# Altium PCB SPEC-A7.PcbDoc (part 6 of 10) (continued)
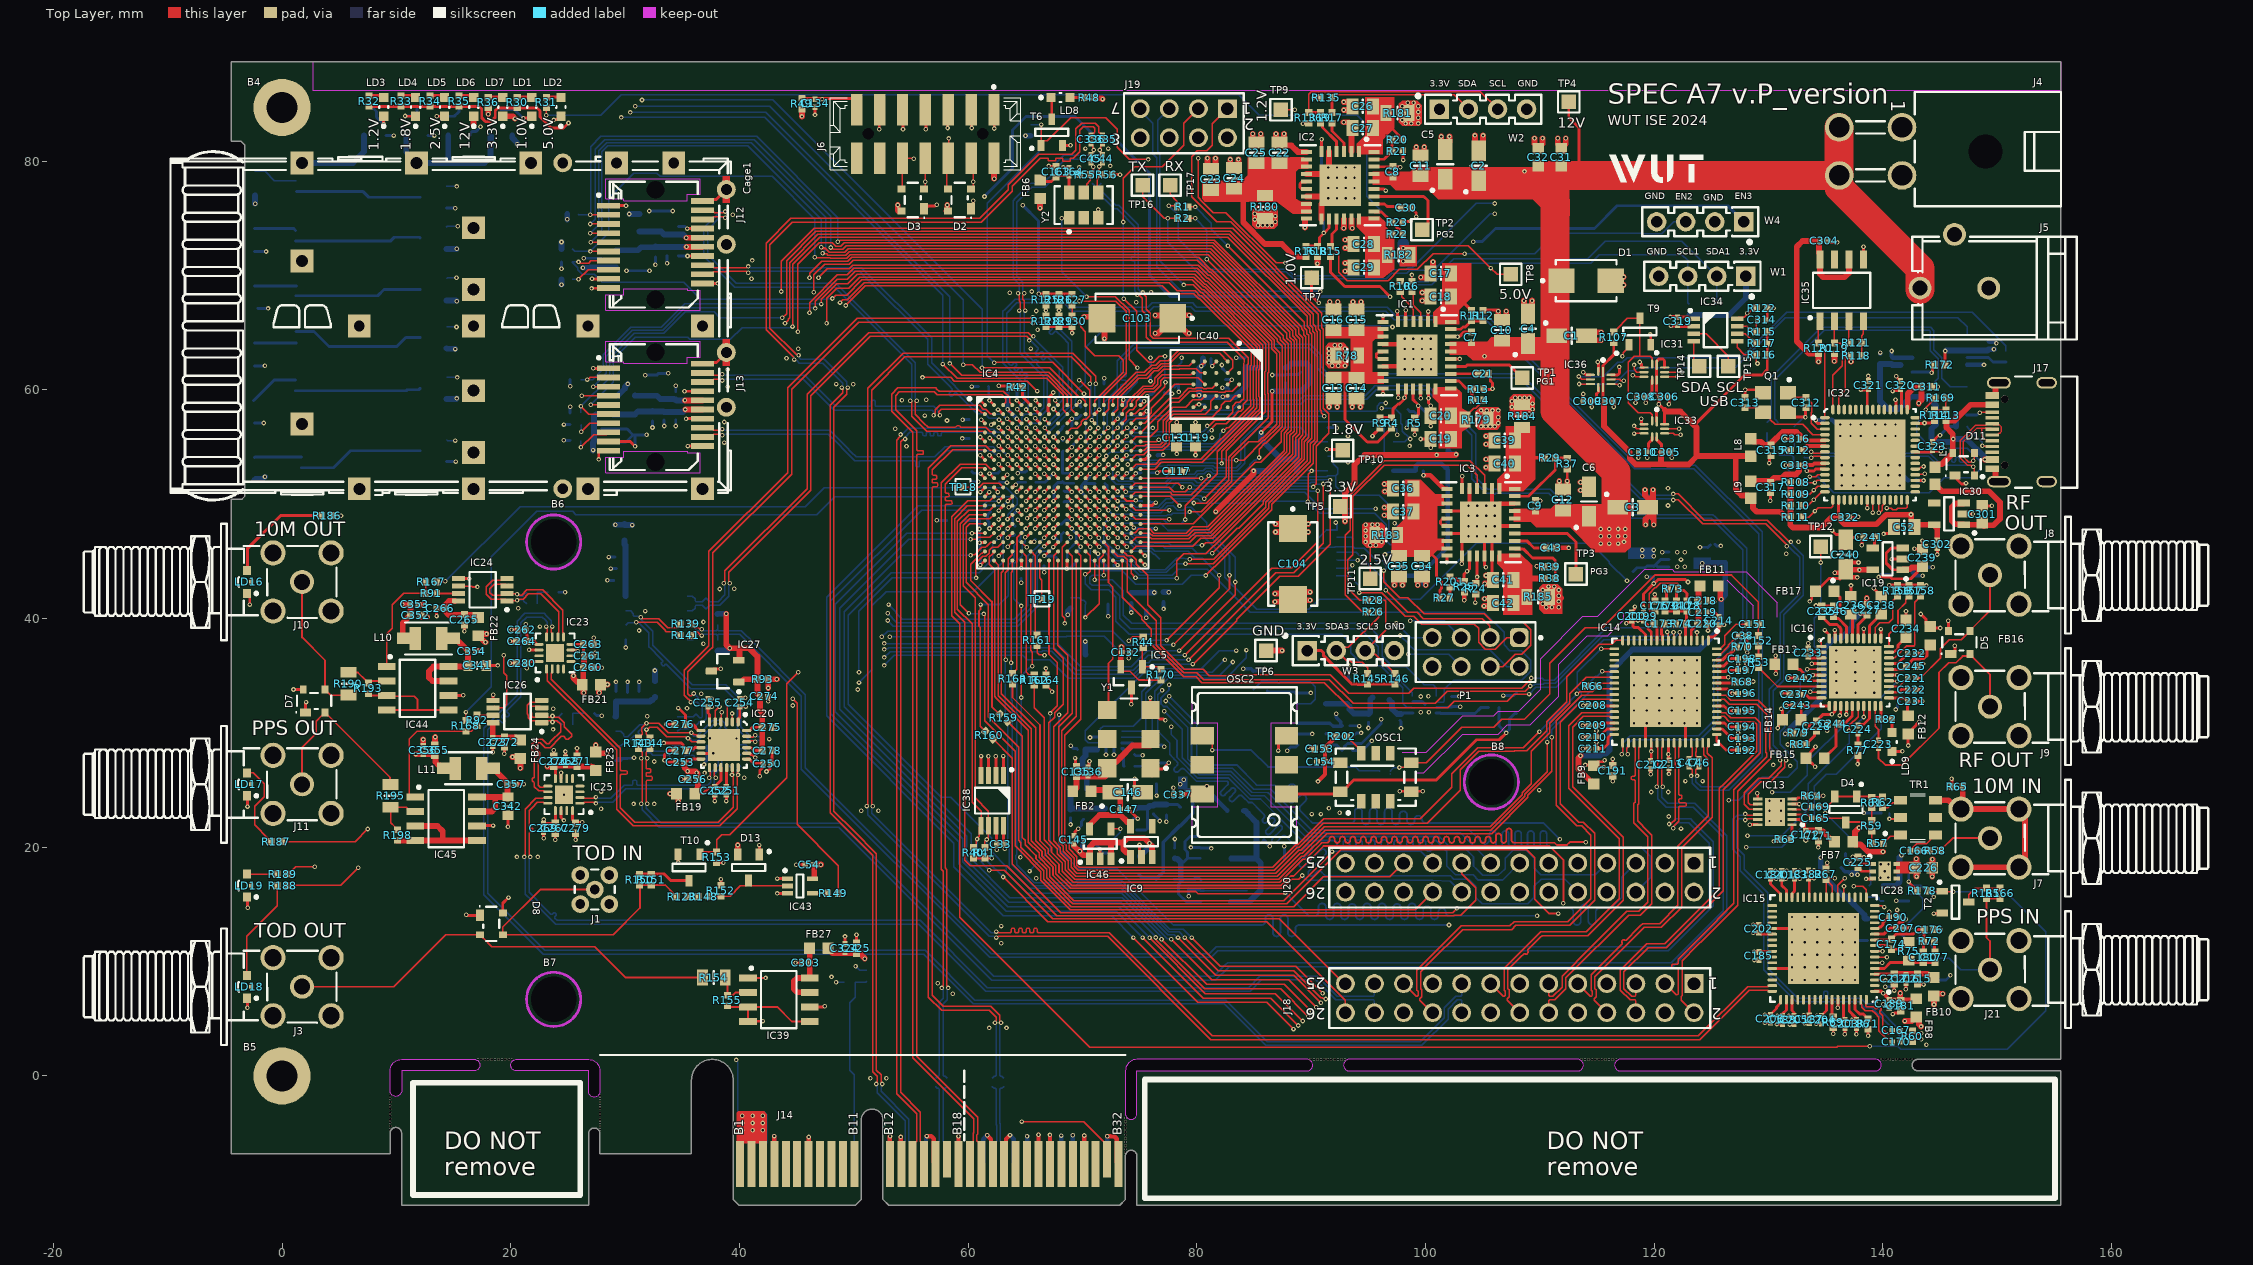
[diagram p0: Top Layer view]
## Nets (pads, with @x,y where several pads share a name; then routed paths per layer and width w, separated by ;. In a path a pad name is that pad's centre, name@x,y a point inside that pad or via, vN(x,y) a via of type N, cw(c..) or ccw(c..) an arc to the next point about the centre after c; other vN are vias at no path point) (continued)
NetC13_2: C13.2 C14.2 C15.2 C16.2 IC1.8 IC1.9 IC1.14 IC1.15 R4.2 R78.1 | length 8.8
  Top Layer w0.254: 92.95,60.8 92.95,57.4 94.904,55.446 95.817,55.446 97.003,56.632 R4.2@97.023,56.632
NetC19_2: C19.2 C20.2 IC1.22 IC1.23 R14.2 R179.1 | length 2.3
  Top Layer w0.127: R179.1@103.45,57.4 103.45,57.625 104.223,58.398 104.397,58.398 104.986,58.987 R14.2@104.986,59.007
NetC21_2: C21.2 IC1.25 | length 2.4
  Top Layer w0.254: IC1.25@102.203,61.404 102.211,61.412 104.566,61.412 C21.2@104.574,61.42
NetC22_2: C22.2 C23.2 C24.2 C25.2 IC2.8 IC2.9 IC2.14 IC2.15 R16.2 R180.1 | length 9.8
  Top Layer w0.508: C24.2@83.75,77.6 84.05,77.3 84.05,74.656 85.961,72.744 87.434,72.744 88.545,71.634 R16.2@89.53,71.634
NetC26_2: C26.2 C27.2 IC2.1 IC2.32 R20.2 R181.1 | length 1.6
  Top Layer w0.254: 97.05,83.1 97.05,82.854 97.85,82.054 97.85,82.034 R20.2@98.001,81.883
NetC28_2: C28.2 C29.2 IC2.22 IC2.23 R22.2 R182.1
NetC30_2: C30.2 IC2.25 | length 2.5
  Top Layer w0.254: IC2.25@95.499,76.265 96.418,76.265 96.642,76.041 97.716,76.041 C30.2@97.843,75.914
NetC34_2: C34.2 C35.2 C36.2 C37.2 IC3.8 IC3.9 IC3.14 IC3.15 R27.2 R183.1 | length 4.2
  Top Layer w0.254: 100.55,45.6 100.95,45.2 100.95,43.683 101.38,43.253 101.38,42.618 101.253,42.491 101.253,41.873 R27.2@101.18,41.8
NetC38_2: C38.2 IC14.63 | length 2.7
  Top Layer w0.152: IC14.63@125.459,36.858 125.759,36.858 126.468,37.567 126.468,37.661 127.158,38.351 127.251,38.351 C38.2@127.4,38.5
NetC39_2: C39.2 C40.2 IC3.1 IC3.32 R29.2 R184.1 | length 1.2
  Top Layer w0.305: 109.215,54.054 R29.2@110.396,54.054
NetC41_2: C41.2 C42.2 IC3.22 IC3.23 R38.2 R185.1 | length 1.3
  Top Layer w0.508: 109.15,43.5 109.25,43.5 109.262,43.513 R38.2@110.396,43.513 R38.2@110.383,43.5
NetC43_2: C43.2 IC3.25 | length 2.9
  Top Layer w0.254: IC3.25@107.791,46.799 108.85,46.799 109.469,46.18 C43.2@110.468,46.18
NetC134_2: C134.2 J6.13 R49.1 T9.1 | length 100.9
  Top Layer w0.127: v1@47.233,85.491 47.233,85.438 v1(47.239,85.432) ; v1(117.216,62.944) 117.268,62.996 117.268,63.231 117.79,63.753 T9.1@117.79,63.953
  Top Layer w0.254: R49.1@45.461,85.49 47.142,85.49 47.171,85.46 47.203,85.46 v1@47.232,85.49 ; v1(47.239,85.432) 47.278,85.432 47.336,85.49 49.883,85.49 50.256,85.117 J6.13@50.256,84.516
  L4 w0.127: v1(47.239,85.432) 47.239,83.391 51.612,79.018 54.677,79.018 56.659,81 61.6,81 68.055,87.455 103.881,87.455 105.103,86.232 105.103,83.446 106.802,81.748 106.802,76.152 117.216,65.738 v1(117.216,62.944)
NetC135_2: C135.2 C136.2 FB2.2 Y1.2 Y1.6 | length 8.4
  Top Layer w0.508: FB2.2@69.464,25.176 C135.2@69.464,26.172 70.48,26.172 71.94,26.172 Y1.6@72.136,26.368 ; Y1.6@72.15,26.92 72.696,27.466 72.937,27.466 73.331,27.859 73.331,27.882 74.352,28.903 75.931,28.903 Y1.2@75.936,28.908
NetC137_2: C137.2 FB3.2 IC7.1 | length 4.7
  Bottom Layer w0.508: C137.2@70.26,28.554 70.26,27.995 70.028,27.763 70.028,27.729 70.006,27.707 70.006,26.787 70.372,26.421 FB3.2@70.372,25.092 ; C137.2@70.261,28.554 IC7.1@71.286,28.554
NetC139_2: C139.2 R51.2 Y1.1 | length 6.2
  Top Layer w0.254: Y1.1@76.063,26.241 75.45,26.854 77.003,26.854 v1(77.55,27.4)
  Bottom Layer w0.254: R51.2@74.565,27.086 76.136,27.086 C139.2@76.35,27.3 ; C139.2@76.446,27.355 76.448,27.356 77.467,27.356 77.51,27.4 v1(77.55,27.4)
NetC140_2: C140.2 C141.2 FB25.1 IC8.1 IC8.3 | length 6.9
  Bottom Layer w0.254: IC8.3@74.745,21.501 75.55,21.501 75.696,21.647 75.696,23.448 ; C140.2@77.35,23.744 C140.2@77.335,23.73 78.32,23.73 FB25.1@78.55,23.5
  Bottom Layer w0.508: IC8.1@74.668,23.402 74.714,23.448 75.696,23.448 75.878,23.63 C141.2@76.192,23.63 76.292,23.73 C140.2@77.335,23.73
NetC144_2: C144.2 C145.2 FB26.1 IC9.1 IC9.3 IC46.1 IC46.3 | length 15.5
  Top Layer w0.508: C145.2@69.263,20.287 69.263,20.104 69.704,19.664 v3(69.766,19.664) 69.766,19.594 70.063,19.296 70.554,19.296 70.6,19.25 IC46.1@70.6,19 ; IC46.1@70.646,19.296 70.646,20.04 71.034,20.428 72.646,20.428 ; IC46.3@72.5,19 72.5,20.282 72.646,20.428 ; IC9.1@74.2,19.15 74.2,19.475 74.154,19.521 73.866,19.521 73.569,19.819 73.569,20.428 ; IC9.3@76.085,19.206 76.085,20.121 75.422,20.784 73.925,20.784 73.569,20.428 ; 72.646,20.428 73.569,20.428
  Bottom Layer w0.508: v3(69.766,19.664) 70.044,19.942 70.044,20.444 C144.2@70.1,20.5 ; FB26.1@74.997,19.2 74.997,19.223 75.196,19.421 75.218,19.421 75.853,20.055 v1(75.853,20.353)
NetC148_2: C148.2 FB4.2 IC10.1 | length 3
  Bottom Layer w0.254: C148.2@97.782,31.624 97.908,31.75 IC10.1@98.9,31.75
  Bottom Layer w0.508: FB4.2@96.85,32.871 96.853,32.871 97.071,32.654 97.071,32.096 97.517,31.65 C148.2@97.85,31.65
NetC150_2: C150.2 OSC1.10 OSC2.1 R52.2 | length 26.1
  Top Layer w0.254: OSC2.1@87.835,24.66 92.34,24.66 OSC1.10@92.54,24.86 92.71,24.86 93.75,25.9 100.95,25.9 104.45,29.4 106.45,29.4 v1(107.05,30)
  Bottom Layer w0.254: R52.2@106.43,32.206 106.43,30.62 v1(107.05,30) 107.05,30.04 107.352,30.342 107.352,31.252 107.8,31.7 C150.2@107.95,31.7
NetC151_1: C151.1 C152.1 OSC1.5 R206.2 | length 45.1
  Top Layer w0.152: v3(97.71,26.976) 97.74,27.006 98.356,27.006 OSC1.5@98.75,27.4 100.05,27.4 103.15,30.5 105.95,30.5 106.65,31.2 108.65,31.2 110.85,33.4 110.85,36.1 113.95,39.2 115.45,39.2 120.05,43.8 126.75,43.8 129.1,41.45 C151.1@129.1,39.5 129.1,38.535 C152.1@129.116,38.52 C152.1@129.349,38.286
  Bottom Layer w0.152: R206.2@96.915,26.407 R206.2@96.915,26.427 ; R206.2@96.921,26.651 96.921,26.671 97.196,26.945 97.679,26.945 v3(97.71,26.976)
NetC152_2: C152.2 R53.1 | length 1
  Top Layer w0.152: R53.1@129.116,36.66 C152.2@129.116,37.62
NetC153_2: C153.2 C154.2 C337.2 FB5.2 OSC1.9 OSC2.6 R202.1 | length 22.2
  Top Layer w0.381: C337.2@78.7,24.6 78.734,24.634 80.258,24.634 80.853,25.229 v3(80.853,25.344) ; OSC2.6@80.465,24.66 80.85,25.045 OSC2.6@80.85,25.344 ; v3(90.594,25.756) 91.209,26.37 91.209,27.5 91.2,27.509 91.2,28.7 92.18,29.68 R202.1@92.18,29.7 ; C154.2@91.2,27.5 91.234,27.466 92.474,27.466 OSC1.9@92.54,27.4
  L3 w0.381: v3(80.853,25.344) 90.183,25.344 v3(90.594,25.756)
  Bottom Layer w0.381: v3(80.853,25.344) 80.853,25.021 82.65,23.225 FB5.2@82.65,23.2
NetC155_2: C155.2 C156.2 FB28.1 IC11.1 IC11.3 | length 9
  Bottom Layer w0.152: FB28.1@84.95,33.8 84.975,33.8 85.374,34.199 85.374,34.224 85.7,34.55 C155.2@86.15,34.55 86.201,34.499 87.001,34.499 C156.2@87.15,34.35 ; C156.2@87.15,34.35 87.25,34.45 IC11.3@88.6,34.45 89.95,34.45 90.353,34.047 90.353,32.953 89.95,32.55 IC11.1@88.6,32.55
NetC159_2: C159.2 C160.2 FB29.1 IC12.1 IC12.3 IC47.1 IC47.3 | length 13.1
  Bottom Layer w0.254: FB29.1@78.05,17.2 78.587,17.2 78.836,17.2 ; 78.587,18.696 78.84,18.696 79.187,19.043 79.187,19.563 78.95,19.8 78.95,20.5 79.387,20.937 IC12.3@80.28,20.937 ; C160.2@79.15,17.2 78.836,17.2 ; 79.187,19.037 IC12.1@80.28,19.037 ; C160.2@79.25,17.2 IC47.3@79.827,17.2 ; IC47.3@79.827,17.323 80.177,17.323 IC47.3@80.35,17.15 ; IC47.1@80.35,15.25 79.442,15.25 79.438,15.246 79.062,15.246 78.388,15.92 78.388,16.752 78.836,17.2
  Bottom Layer w0.508: C159.2@78.059,19.041 78.106,18.994 78.289,18.994 78.587,18.696 78.587,17.2
NetC163_2: C163.2 C164.2 FB6.2 Y2.6 | length 4.2
  Top Layer w0.254: FB6.2@66.289,78.225 67.288,78.225 C163.2@67.686,78.623 67.786,78.723 C164.2@68.829,78.723 Y2.6@68.829,77.252
NetC165_1: C165.1 D4.3 R57.2 R59.2 | length 6.2
  Top Layer w0.152: C165.1@134.473,22.536 136.501,22.536 D4.3@136.75,22.15 136.806,22.207 138.118,22.207 138.161,22.167 138.78,21.601 R59.2@138.986,21.412 ; R59.2@139.014,21.412 139.014,20.408 R57.2@139.081,20.34
NetC165_2: C165.2 IC13.3 | length 1.9
  Top Layer w0.152: IC13.3@132.05,22.875 132.065,22.859 133.425,22.859 133.748,22.536 C165.2@133.773,22.536
NetC166_1: C166.1 R58.2 | length 1
  Top Layer w0.155: C166.1@143.1,19.7 R58.2@144.08,19.7
NetC166_2: C166.2 TR1.6 | length 2.8
  Top Layer w0.155: C166.2@142.4,19.7 142.425,19.7 142.572,19.848 142.572,19.937 142.942,20.307 143.801,20.307 TR1.6@144.575,21.08
NetC168_1: C168.1 TR1.2 | length 1.5
  Top Layer w0.152: v1(140.565,22.479) 141.404,22.479 TR1.2@141.525,22.6
  Bottom Layer w0.152: C168.1@140.55,23 140.565,22.985 v1(140.565,22.479)
NetC169_1: C169.1 D4.1 D4.2 R61.1 R62.2 | length 6
  Top Layer w0.152: C169.1@134.498,23.552 C169.1@134.473,23.552 135.102,23.552 135.8,24.25 D4.2@135.8,24.45 135.801,24.448 D4.1@137.7,24.448 ; D4.1@137.7,24.45 138.948,24.45 139.004,24.394 R62.2@139.961,24.394
NetC169_2: C169.2 IC13.4 | length 1.8
  Top Layer w0.152: IC13.4@132.05,23.325 132.065,23.309 133.505,23.309 133.748,23.552 C169.2@133.773,23.552
NetC171_2: C171.2 C172.2 FB7.2 IC13.2 | length 4.8
  Top Layer w0.254: IC13.2@132.05,22.425 132.725,22.425 133.152,21.998 133.152,21.548 C172.2@133.25,21.45
  Top Layer w0.508: C172.2@133.265,21.465 C171.2@134.335,21.465 ; C171.2@134.35,21.394 134.732,21.394 135.451,20.675 135.525,20.675 135.75,20.45 FB7.2@135.75,20.376
NetC173_1: C173.1 C175.2 C178.1 C340.1 IC14.10 R73.2 | length 10.8
  Top Layer w0.127: C175.2@120.05,40.65 119.624,40.65 119.549,40.724 119.549,42.165 120.059,42.675 120.117,42.675 120.538,43.095 122.006,43.095 122.08,43.021 122.08,42.605 R73.2@122.091,42.595
  Top Layer w0.254: C175.2@120.05,40.65 120.02,40.62 120.02,39.577 C173.1@119.99,39.547 120.234,39.303 IC14.10@120.234,38.083 ; C340.1@121.95,41.55 121.95,42.454 R73.2@122.091,42.595 R73.2@122.254,42.432 ; R73.2@122.224,42.461 122.588,42.461 122.85,42.2 C178.1@122.85,41.55
NetC173_2: C173.2 IC14.9 R74.2 | length 2.6
  Top Layer w0.254: IC14.9@120.734,38.083 120.732,38.085 120.732,38.525 120.645,38.612 120.645,39.302 C173.2@120.89,39.547 R74.2@121.875,39.547
NetC174_1: C174.1 C176.2 C180.2 IC15.10 R72.2 | length 6.7
  Top Layer w0.254: IC15.10@139.275,11.9 139.277,11.902 140.649,11.902 C174.1@140.727,11.98 141.166,12.419 142.678,12.419 143.059,12.8 C176.2@143.579,12.8 143.569,12.79 143.569,11.794 R72.2@143.559,11.784 143.54,11.765 143.54,10.856 C180.2@143.521,10.837
NetC174_2: C174.2 IC15.9 R75.2 | length 3.4
  Top Layer w0.254: IC15.9@139.275,11.4 140.407,11.4 C174.2@140.727,11.08 141.586,11.08 142.201,11.695 R75.2@142.251,11.695
NetC177_1: C177.1 C180.1 IC15.5 R75.1 | length 5.5
  Top Layer w0.254: IC15.5@139.275,9.4 140.121,9.4 140.658,9.937 C180.1@143.521,9.937 C177.1@144.537,9.937
NetC177_2: C177.2 R72.1 | length 1
  Top Layer w0.254: R72.1@144.499,11.784 144.518,11.765 144.518,10.856 C177.2@144.537,10.837
NetC178_2: C178.2 C179.1 C340.2 IC14.5 R74.1 | length 4.5
  Top Layer w0.254: C179.1@120.95,40.65 C340.2@121.95,40.65 C178.2@122.85,40.65 122.815,40.615 R74.1@122.815,39.547 122.736,39.468 122.736,38.085 IC14.5@122.734,38.083
NetC179_2: C179.2 R73.1 | length 1.1
  Top Layer w0.254: C179.2@120.95,41.55 121.05,41.651 121.05,42.494 R73.1@121.151,42.595
NetC181_2: C181.2 C182.2 C183.2 C184.2 C185.2 C186.2 C187.2 C188.2 C189.2 C190.2 C201.2 C202.2 C203.2 C204.2 C205.2 C206.2 C207.2 FB8.2 IC15.1 IC15.11 IC15.12 IC15.27 IC15.30 IC15.31 IC15.32 IC15.38 IC15.41 IC15.49 IC15.50 IC15.51 IC15.54 IC15.57 IC15.60 IC15.61 | length 37.7
  Top Layer w0.254: v1(128.656,12.534) C202.2@129.133,12.534 ; v1(128.725,10.871) 128.735,10.86 129.139,10.86 C185.2@129.15,10.85 ; v1@128.758,10.895 128.761,10.898 130.323,10.898 IC15.41@130.325,10.9 ; v1@128.758,12.546 129.252,12.546 129.398,12.4 IC15.38@130.325,12.4 ; v1(129.673,5.35) C206.2@130.15,5.35 130.15,5.375 130.682,5.907 130.682,6.011 131.05,6.379 IC15.49@131.05,6.675 ; v1(130.671,17.256) 130.668,17.253 130.153,17.253 130.173,17.233 130.173,16.798 131.05,15.921 IC15.32@131.05,15.625 ; v1(130.75,5.25) 130.752,5.247 131.199,5.247 C188.2@131.202,5.245 ; C201.2@131.15,17.25 131.15,16.662 131.55,16.262 IC15.31@131.55,15.625 ; C188.2@131.202,5.245 131.202,5.434 131.55,5.782 IC15.50@131.55,6.675 ; C201.2@131.248,17.253 131.497,17.253 v1(131.5,17.256) ; v1(131.741,5.245) C205.2@132.218,5.245 132.218,5.561 132.05,5.729 IC15.51@132.05,6.675 ; IC15.30@132.05,15.625 132.05,15.921 132.171,16.042 132.171,16.082 132.25,16.161 C183.2@132.25,17.25 ; C183.2@132.348,17.253 132.724,17.253 v1(132.727,17.256) ; v1(133.075,5.308) C187.2@133.552,5.308 133.552,6.673 IC15.54@133.55,6.675 ; IC15.27@133.55,15.625 133.548,15.627 133.548,17.216 C182.2@133.488,17.276 v1(133.965,17.276) ; v1(134.219,5.27) C204.2@134.631,5.27 134.631,5.295 135.05,5.714 IC15.57@135.05,6.675 ; v1@136.307,4.895 v1(136.311,4.895) C203.2@136.663,4.895 ; C203.2@136.55,5.033 IC15.60@136.55,6.675 ; IC15.61@137.05,6.675 137.05,5.669 137.581,5.138 137.581,4.993 C186.2@137.679,4.895 v1(137.267,4.895) ; IC15.11@139.275,12.4 140.073,12.4 140.6,12.927 141.164,12.927 141.262,13.025 141.262,13.257 141.411,13.406 141.638,13.406 141.943,13.711 v1(141.983,13.711) ; IC15.12@139.275,12.9 139.571,12.9 139.692,13.021 139.805,13.021 140.011,13.227 140.011,13.396 140.511,13.896 C190.2@140.536,13.896 v1(140.536,14.373)
  Top Layer w0.305: IC15.1@139.275,7.4 139.83,7.4 139.987,7.243 v1(140.013,7.243) 140.013,7.224 140.477,6.76 140.477,6.723 C189.2@140.55,6.65
  Top Layer w0.508: C189.2@140.55,6.65 140.587,6.613 v1(140.984,6.613) ; v1@140.984,6.603 C181.2@141.556,6.603 141.515,6.643 v1(141.515,7.244) ; C181.2@141.582,6.629 142.772,6.629 FB8.2@142.901,6.757
NetC191_2: C191.2 C192.2 C193.2 C194.2 C195.2 C196.2 C197.2 C198.2 C199.2 C200.2 C208.2 C209.2 C210.2 C211.2 C212.2 C213.2 C214.2 FB9.2 IC14.1 IC14.11 IC14.12 IC14.27 IC14.30 IC14.31 IC14.32 IC14.38 IC14.41 IC14.49 IC14.50 IC14.51 IC14.54 IC14.57 IC14.60 IC14.61 | length 42.5
  Top Layer w0.254: v1(113.95,27.2) 114.572,27.2 114.744,27.028 115.078,27.028 115.078,27.46 115.092,27.475 115.485,27.475 115.61,27.6 v1(115.65,27.6) ; C208.2@114.948,32.435 115.594,32.435 115.671,32.358 IC14.27@116.509,32.358 ; C210.2@115.071,29.739 115.253,29.739 115.87,30.356 116.507,30.356 IC14.31@116.509,30.358 ; FB9.2@115.078,27.003 v1(115.565,27.003) ; C191.2@116.37,27.158 v1(116.37,27.722) ; IC14.32@116.509,29.858 116.213,29.858 115.946,29.591 115.946,29.035 115.536,28.625 C211.2@114.948,28.625 v1(114.948,29.18) C210.2@114.948,29.641 v1(114.948,30.196) C209.2@114.948,30.657 115.032,30.74 115.37,30.74 115.487,30.858 IC14.30@116.509,30.858 ; v1(117.566,39.583) 117.606,39.583 117.731,39.709 117.929,39.709 118.027,39.807 C200.2@118.027,39.832 ; IC14.12@119.234,38.083 119.232,38.085 119.232,38.602 118.629,39.204 118.274,39.204 118.125,39.353 118.125,39.734 C200.2@118.027,39.832 ; C212.2@119.678,27.578 119.732,27.632 v1(119.732,28.381) 119.732,29.131 IC14.38@119.734,29.133 ; IC14.11@119.734,38.083 119.734,38.834 119.585,38.983 119.575,38.983 119.426,39.131 119.426,39.424 119.043,39.807 C199.2@119.043,39.832 v1(118.569,39.832) 118.125,39.832 C200.2@118.027,39.832 ; IC14.41@121.234,29.133 121.236,29.131 v1(121.236,28.146) 121.236,27.651 C213.2@121.28,27.607 ; IC14.1@124.734,38.083 124.734,38.379 124.736,38.381 125.165,38.381 125.647,38.863 C214.2@125.647,39.451 v1(126.104,39.451) ; IC14.49@125.459,29.858 125.459,29.301 126.262,28.498 C192.2@127.329,28.498 v1(127.329,29.002) C193.2@127.329,29.514 ; IC14.50@125.459,30.358 125.461,30.356 125.936,30.356 126.778,29.514 C193.2@127.329,29.514 ; IC14.51@125.459,30.858 126.133,30.858 126.461,30.53 C194.2@127.329,30.53 v1(127.329,30.033) C193.2@127.329,29.514 ; IC14.54@125.459,32.358 125.461,32.356 126.087,32.356 126.267,32.175 126.294,32.175 126.543,31.927 v1(126.936,31.927) C195.2@127.329,31.927 ; IC14.57@125.459,33.858 126.363,33.858 v1@126.77,33.451 ; IC14.60@125.459,35.358 126.206,35.358 126.331,35.483 C197.2@127.329,35.483 v1(127.329,36.018) C198.2@127.329,36.499 126.712,36.499 126.073,35.86 125.461,35.86 IC14.61@125.459,35.858 ; v1@126.833,33.437 v1(126.846,33.451) C196.2@127.329,33.451
  other v1: 115.398,32.459
NetC215_2: C215.2 C216.2 C217.2 FB10.2 IC15.4 | length 5.3
  Top Layer w0.305: IC15.4@139.291,8.916 C217.2@140.981,8.916
  Top Layer w0.508: C217.2@140.981,8.932 141.997,8.932 C215.2@143.013,8.932 143.899,8.932 143.997,8.834 144.271,8.834 FB10.2@144.496,8.609
NetC218_2: C218.2 C219.2 C220.2 FB11.2 IC14.4 | length 5.2
  Top Layer w0.254: IC14.4@123.234,38.083 123.234,38.981 C220.2@123.8,39.547
  Top Layer w0.508: C220.2@123.8,39.547 123.856,39.603 123.856,41.523 C218.2@123.8,41.579 123.856,41.635 123.856,42.624 124.081,42.849 FB11.2@124.123,42.849
NetC221_1: C221.1 IC16.23 | length 2
  Top Layer w0.152: IC16.23@140.518,34.059 141.404,34.059 142.146,34.801 C221.1@142.171,34.801
NetC221_2: C221.2 D5.3 J8.1 | length 12.5
  Top Layer w0.155: C221.2@142.871,34.801 143.276,34.801 145.041,36.566 145.041,37.402 145.785,38.146 146.838,38.146 147.318,38.626 147.326,38.626 147.55,38.85 D5.3@147.55,38.9 ; D5.3@147.55,38.95 147.774,39.174 147.824,39.174 149.35,40.7 J8.1@149.35,43.796
NetC222_1: C222.1 IC16.22 | length 1.7
  Top Layer w0.254: IC16.22@140.518,33.559 141.406,33.559 141.632,33.785 C222.1@142.171,33.785
NetC222_2: C222.2 R76.1 | length 2.4
  Top Layer w0.254: C222.2@142.871,33.785 v1(143.35,33.785)
  Bottom Layer w0.254: R76.1@141.45,33.67 141.565,33.785 v1(143.35,33.785)
NetC223_1: C223.1 IC16.19 | length 3.3
  Top Layer w0.152: IC16.19@139.318,32.359 139.318,30.582 139.6,30.3 C223.1@139.6,29.139
NetC223_2: C223.2 D5.2 J9.1 | length 21.3
  Top Layer w0.155: C223.2@139.6,28.65 139.6,27.8 140.2,27.2 141.7,27.2 144.9,30.4 144.9,35.3 145.74,36.14 146.383,36.14 146.964,36.721 147.371,36.721 D5.2@147.55,36.9 ; D5.2@147.622,36.917 147.846,36.693 147.846,36.624 149.35,35.119 J9.1@149.35,32.296
NetC224_1: C224.1 IC16.18 | length 2.4
  Top Layer w0.254: C224.1@137.8,30.65 137.898,30.748 138.307,30.748 138.818,31.259 IC16.18@138.818,32.359
NetC224_2: C224.2 R77.1 | length 1
  Top Layer w0.254: R77.1@137.8,28.97 C224.2@137.8,29.95
NetC225_2: C225.2 FB32.2 IC28.1 IC28.2 | length 4.5
  Top Layer w0.254: v1@137.328,18.428 137.619,18.428 C225.2@137.802,18.245 ; IC28.2@139.1,17.9 138.147,17.9 C225.2@137.802,18.245 ; IC28.1@139.1,18.55 138.107,18.55 C225.2@137.802,18.245
  Bottom Layer w0.254: FB32.2@136.723,19.452 136.723,19.161 137.067,18.817 137.149,18.735 137.149,18.568 v1(137.177,18.54)
NetC227_2: C227.2 IC16.35 R79.2 | length 17.3
  Top Layer w0.254: v1(131.46,29.918) 131.5,29.918 131.544,29.962 132.092,29.962 R79.2@132.13,30 ; IC16.35@137.818,38.259 137.818,39.455 138.401,40.038 138.401,40.137 C227.2@138.584,40.32 138.488,40.416 138.054,40.416 v1(138.026,40.444)
  Bottom Layer w0.508: v1(131.46,29.918) 134.836,33.294 134.836,37.336 135.809,38.309 136.362,38.309 137.318,39.264 137.318,39.736 v1(138.026,40.444)
NetC228_1: C228.1 R81.2 | length 1.5
  Top Layer w0.254: R81.2@133.27,29 133.27,29.02 133.433,29.183 133.453,29.183 134.017,29.747 134.017,29.967 C228.1@134.2,30.15
NetC228_2: C228.2 IC16.12 R79.1 | length 4.1
  Top Layer w0.254: R79.1@133.07,30 133.07,30.02 133.233,30.183 133.253,30.183 133.556,30.486 133.556,30.7 133.728,30.872 134.022,30.872 134.776,31.626 v1(135.536,31.626) 135.809,31.899 135.809,32.35 IC16.12@135.818,32.359
NetC229_2: C229.2 FB33.2 IC18.1 IC18.2 | length 4.7
  Bottom Layer w0.254: FB33.2@118.15,44.1 118.498,44.448 119.198,44.448 119.35,44.6 C229.2@119.95,44.6 ; C229.2@119.95,44.55 120,44.6 120.56,45.161 IC18.2@121.287,45.161 ; C229.2@120.211,44.6 120.301,44.511 IC18.1@121.287,44.511
NetC231_2: C231.2 FB12.2 IC16.21 | length 3.1
  Top Layer w0.254: IC16.21@140.518,33.059 141.856,33.059 C231.2@142.146,32.769 ; C231.2@142.171,32.769 C231.2@142.146,32.769 ; FB12.2@142.2,31.5 142.146,31.554 C231.2@142.146,32.769
NetC232_2: C232.2 IC16.27 | length 2
  Top Layer w0.254: IC16.27@140.518,36.059 141.27,36.059 142.048,36.837 142.048,36.862 142.146,36.96 C232.2@142.171,36.96
NetC233_2: C233.2 IC16.3 | length 1.1
  Top Layer w0.254: C233.2@133.57,36.568 134.609,36.568 IC16.3@134.618,36.559
NetC234_2: C234.2 IC16.29 | length 2.2
  Top Layer w0.254: IC16.29@140.518,37.059 140.754,37.017 140.856,37.017 141.227,37.277 141.317,37.367 141.317,37.673 C234.2@142.013,38.369
NetC235_2: C235.2 IC16.38 | length 3
  Top Layer w0.254: C235.2@134.647,40.193 135.373,39.466 135.584,39.466 135.591,39.473 135.989,39.473 136.271,39.191 136.271,39.146 136.318,39.099 IC16.38@136.318,38.259
NetC236_2: C236.2 IC16.36 | length 2.2
  Top Layer w0.254: C236.2@137.187,40.401 137.318,40.27 IC16.36@137.318,38.259
NetC237_2: C237.2 IC16.10 | length 2.2
  Top Layer w0.254: C237.2@132.62,33.52 132.825,33.316 133.292,33.316 133.549,33.059 IC16.10@134.618,33.059
NetC238_2: C238.2 IC16.33 | length 2.6
  Top Layer w0.254: IC16.33@138.818,38.259 138.818,39.365 C238.2@139.854,40.401
NetC239_2: C239.2 FB34.2 IC19.1 IC19.3 | length 11.7
  Top Layer w0.254: v1(139.613,43.638) 140.64,43.638 140.793,43.485 142.433,43.485 142.997,44.049 142.997,44.093 C239.2@143.32,44.416 ; IC19.1@141.713,44.265 140.855,44.265 140.286,44.834 140.286,45.723 140.728,46.165 IC19.3@141.713,46.165
  Top Layer w0.508: IC19.1@141.713,44.265 141.759,44.311 142.361,44.311 142.518,44.468 143.373,44.468 C239.2@143.451,44.547
  Bottom Layer w0.127: v1(139.613,43.638) 139.665,43.69 139.665,43.782 139.791,43.908 140.857,43.908 FB34.2@140.95,44
NetC241_2: C241.2 IC19.4 | length 1
  Top Layer w0.254: IC19.4@139.113,46.165 139.256,46.308 C241.2@139.256,47.12
NetC242_2: C242.2 FB13.2 IC16.7 | length 3.3
  Top Layer w0.254: FB13.2@132.118,36.041 132.597,35.563 132.742,35.563 133.009,35.296 133.009,34.984 133.192,34.801 133.434,34.559 IC16.7@134.618,34.559
NetC243_2: C243.2 FB14.2 IC16.11 | length 3.7
  Top Layer w0.254: FB14.2@132.827,31.17 132.85,31.193 C243.2@132.85,32.4 132.897,32.353 IC16.11@135.311,32.353
NetC244_2: C244.2 FB15.2 IC16.15 | length 5.9
  Top Layer w0.254: FB15.2@134.861,27.804 134.861,27.829 135.209,28.177 135.234,28.177 135.878,28.82 135.878,30.617 136.105,30.844 136.68,30.844 137.309,31.473 137.309,32.35 IC16.15@137.318,32.359
NetC245_2: C245.2 FB16.2 IC16.26 | length 4.9
  Top Layer w0.254: IC16.26@140.518,35.559 141.813,35.559 142.407,36.153 142.407,36.232 142.656,36.481 143.289,36.481 143.314,36.506 143.598,36.506 143.864,36.772 143.864,37.414 FB16.2@144.15,37.7
NetC246_2: C246.2 FB17.2 IC16.37 | length 5.3
  Top Layer w0.254: FB17.2@135.663,42.438 135.663,42.412 136.048,42.027 136.074,42.027 136.227,41.874 136.227,40.678 136.078,40.529 135.995,40.529 135.846,40.38 135.846,40.376 C246.2@135.663,40.193 135.846,40.01 136.1,40.01 136.818,39.292 IC16.37@136.818,38.259
NetC247_2: C247.2 C248.2 C249.2 FB18.2 IC21.8 | length 4.9
  Bottom Layer w0.508: FB18.2@29.95,46.824 29.95,46.488 30.027,46.411 C249.2@30.027,45.378 30.027,44.362 30.027,41.974 IC21.8@30.052,41.949
NetC250_2: C250.2 C251.2 C252.2 C253.2 C254.2 C255.2 C256.2 FB19.2 IC20.1 IC20.6 IC20.12 IC20.15 IC20.16 IC20.19 | length 18.8
  Top Layer w0.254: C253.2@35.169,27.44 35.267,27.538 35.741,27.538 35.917,27.714 IC20.12@36.629,27.714 ; FB19.2@35.968,24.677 36.816,24.677 37.42,25.281 C252.2@37.832,25.281 ; IC20.6@37.379,30.964 37.379,31.607 37.242,31.744 37.242,32.308 37.252,32.298 v1(37.59,32.298) ; IC20.15@38.379,26.964 38.379,26.295 38.4,26.273 38.4,25.874 37.832,25.306 C252.2@37.832,25.281 ; IC20.16@38.879,26.964 38.879,26.702 38.848,26.671 38.848,25.272 38.75,25.174 37.93,25.174 37.832,25.272 C252.2@37.832,25.281 ; IC20.1@39.879,30.964 39.879,31.227 40.026,31.374 C254.2@40.026,32.297 40.03,32.301 40.54,32.301 v1(40.544,32.305) ; IC20.19@40.629,27.714 40.866,27.714 40.907,27.673 40.907,27.653 41.216,27.344 42.058,27.344 C250.2@42.089,27.313 42.005,27.23 42.005,26.961 41.769,26.725 v1(41.769,26.201)
  Top Layer w0.508: C253.2@35.169,27.44 35.169,27.008 v1@35.463,26.714 ; v1(35.463,26.657) 35.482,26.638 36.133,26.638 36.321,26.45 36.321,26.003 C256.2@36.377,25.947 36.377,25.2 36.267,25.09 36.267,24.902 36.057,24.692 FB19.2@35.958,24.692
  other v1: 36.247,26.523
NetC257_2: C257.2 C258.2 C259.2 FB20.2 IC22.8 | length 5
  Bottom Layer w0.508: IC22.8@29.163,31.408 29.196,31.441 C257.2@29.196,32.736 C259.2@31.228,32.736 32.175,32.736 32.308,32.869 32.382,32.869 32.607,33.094 FB20.2@32.607,33.168
NetC260_2: C260.2 C261.2 C262.2 C263.2 C264.2 FB21.2 IC23.8 IC23.13 | length 15.5
  Top Layer w0.254: C262.2@21.302,39.027 C262.2@21.302,39.027 v1(21.304,39.502) v1(21.304,39.502) ; C262.2@21.402,38.929 C264.2@21.402,38.011 22.051,38.011 22.2,37.862 22.2,37.747 22.202,37.745 IC23.13@22.473,37.745 ; IC23.8@25.273,37.745 25.275,37.747 25.643,37.747 25.653,37.757 C263.2@26.344,37.757 C261.2@26.344,36.839
  Top Layer w0.508: v1(25.486,34.988) 25.486,34.789 25.85,34.426 26.147,34.426 FB21.2@26.372,34.201 ; FB21.2@26.344,34.229 C260.2@26.344,35.725 26.4,35.781 26.4,36.697 C261.2@26.444,36.741 ; v1(26.372,33.511) FB21.2@26.372,34.201 ; FB21.2@26.375,34.231 26.359,34.214 FB21.2@26.372,34.201
  L3 w0.508: v1(21.304,39.502) 21.302,39.5 21.302,39.172 v1(25.486,34.988)
NetC265_2: C265.2 C266.2 FB22.2 IC24.8 | length 4.6
  Top Layer w0.508: IC24.8@15.092,41.529 14.589,41.529 14.2,41.14 C266.2@14.2,40.9 14.2,40.699 14.584,40.314 15.514,40.314 ; 15.576,40.323 16.901,40.323 17.125,40.1 FB22.2@17.15,40.1
NetC267_2: C267.2 C268.2 C269.2 C270.2 C271.2 FB23.2 IC25.8 IC25.13 | length 12.8
  Top Layer w0.254: v1(22.872,22.431) C269.2@22.872,22.029 22.922,22.079 23.838,22.079 C267.2@23.888,22.129 23.898,22.139 23.898,23.198 IC25.13@23.9,23.2 ; C270.2@23.761,27.071 23.898,26.934 23.898,26.002 IC25.8@23.9,26
  Top Layer w0.508: v1(23.184,27.071) C270.2@23.761,27.071 23.817,27.127 24.733,27.127 C268.2@24.777,27.171 24.821,27.127 25.737,27.127 C271.2@25.793,27.071 26.898,27.071 cw(c26.898,26.299) 27.325,26.942 FB23.2@27.444,26.845
  L3 w0.508: v1(22.872,22.431) 23.184,22.744 v1(23.184,27.071)
NetC272_2: C272.2 C273.2 FB24.2 IC26.8 | length 4
  Top Layer w0.508: IC26.8@18.425,30.865 C273.2@18.425,29.552 C272.2@19.514,29.552 ; C272.2@19.471,29.622 20.46,29.622 20.54,29.542 20.613,29.542 20.838,29.317 FB24.2@20.838,29.243
NetC283_2: C283.2 C284.2 C285.2 C286.2 J12.15 L3.2 | length 7.7
  Top Layer w0.508: v1(35.366,72.507) J12.15@36.75,72.507
  Bottom Layer w0.508: L3.2@29.221,72.192 29.232,72.204 31.114,72.204 31.126,72.215 31.382,72.471 32.594,72.471 C284.2@32.65,72.527 32.67,72.507 v1(35.366,72.507)